# Allegro board BRD-05058-03_A1.brd (continued)
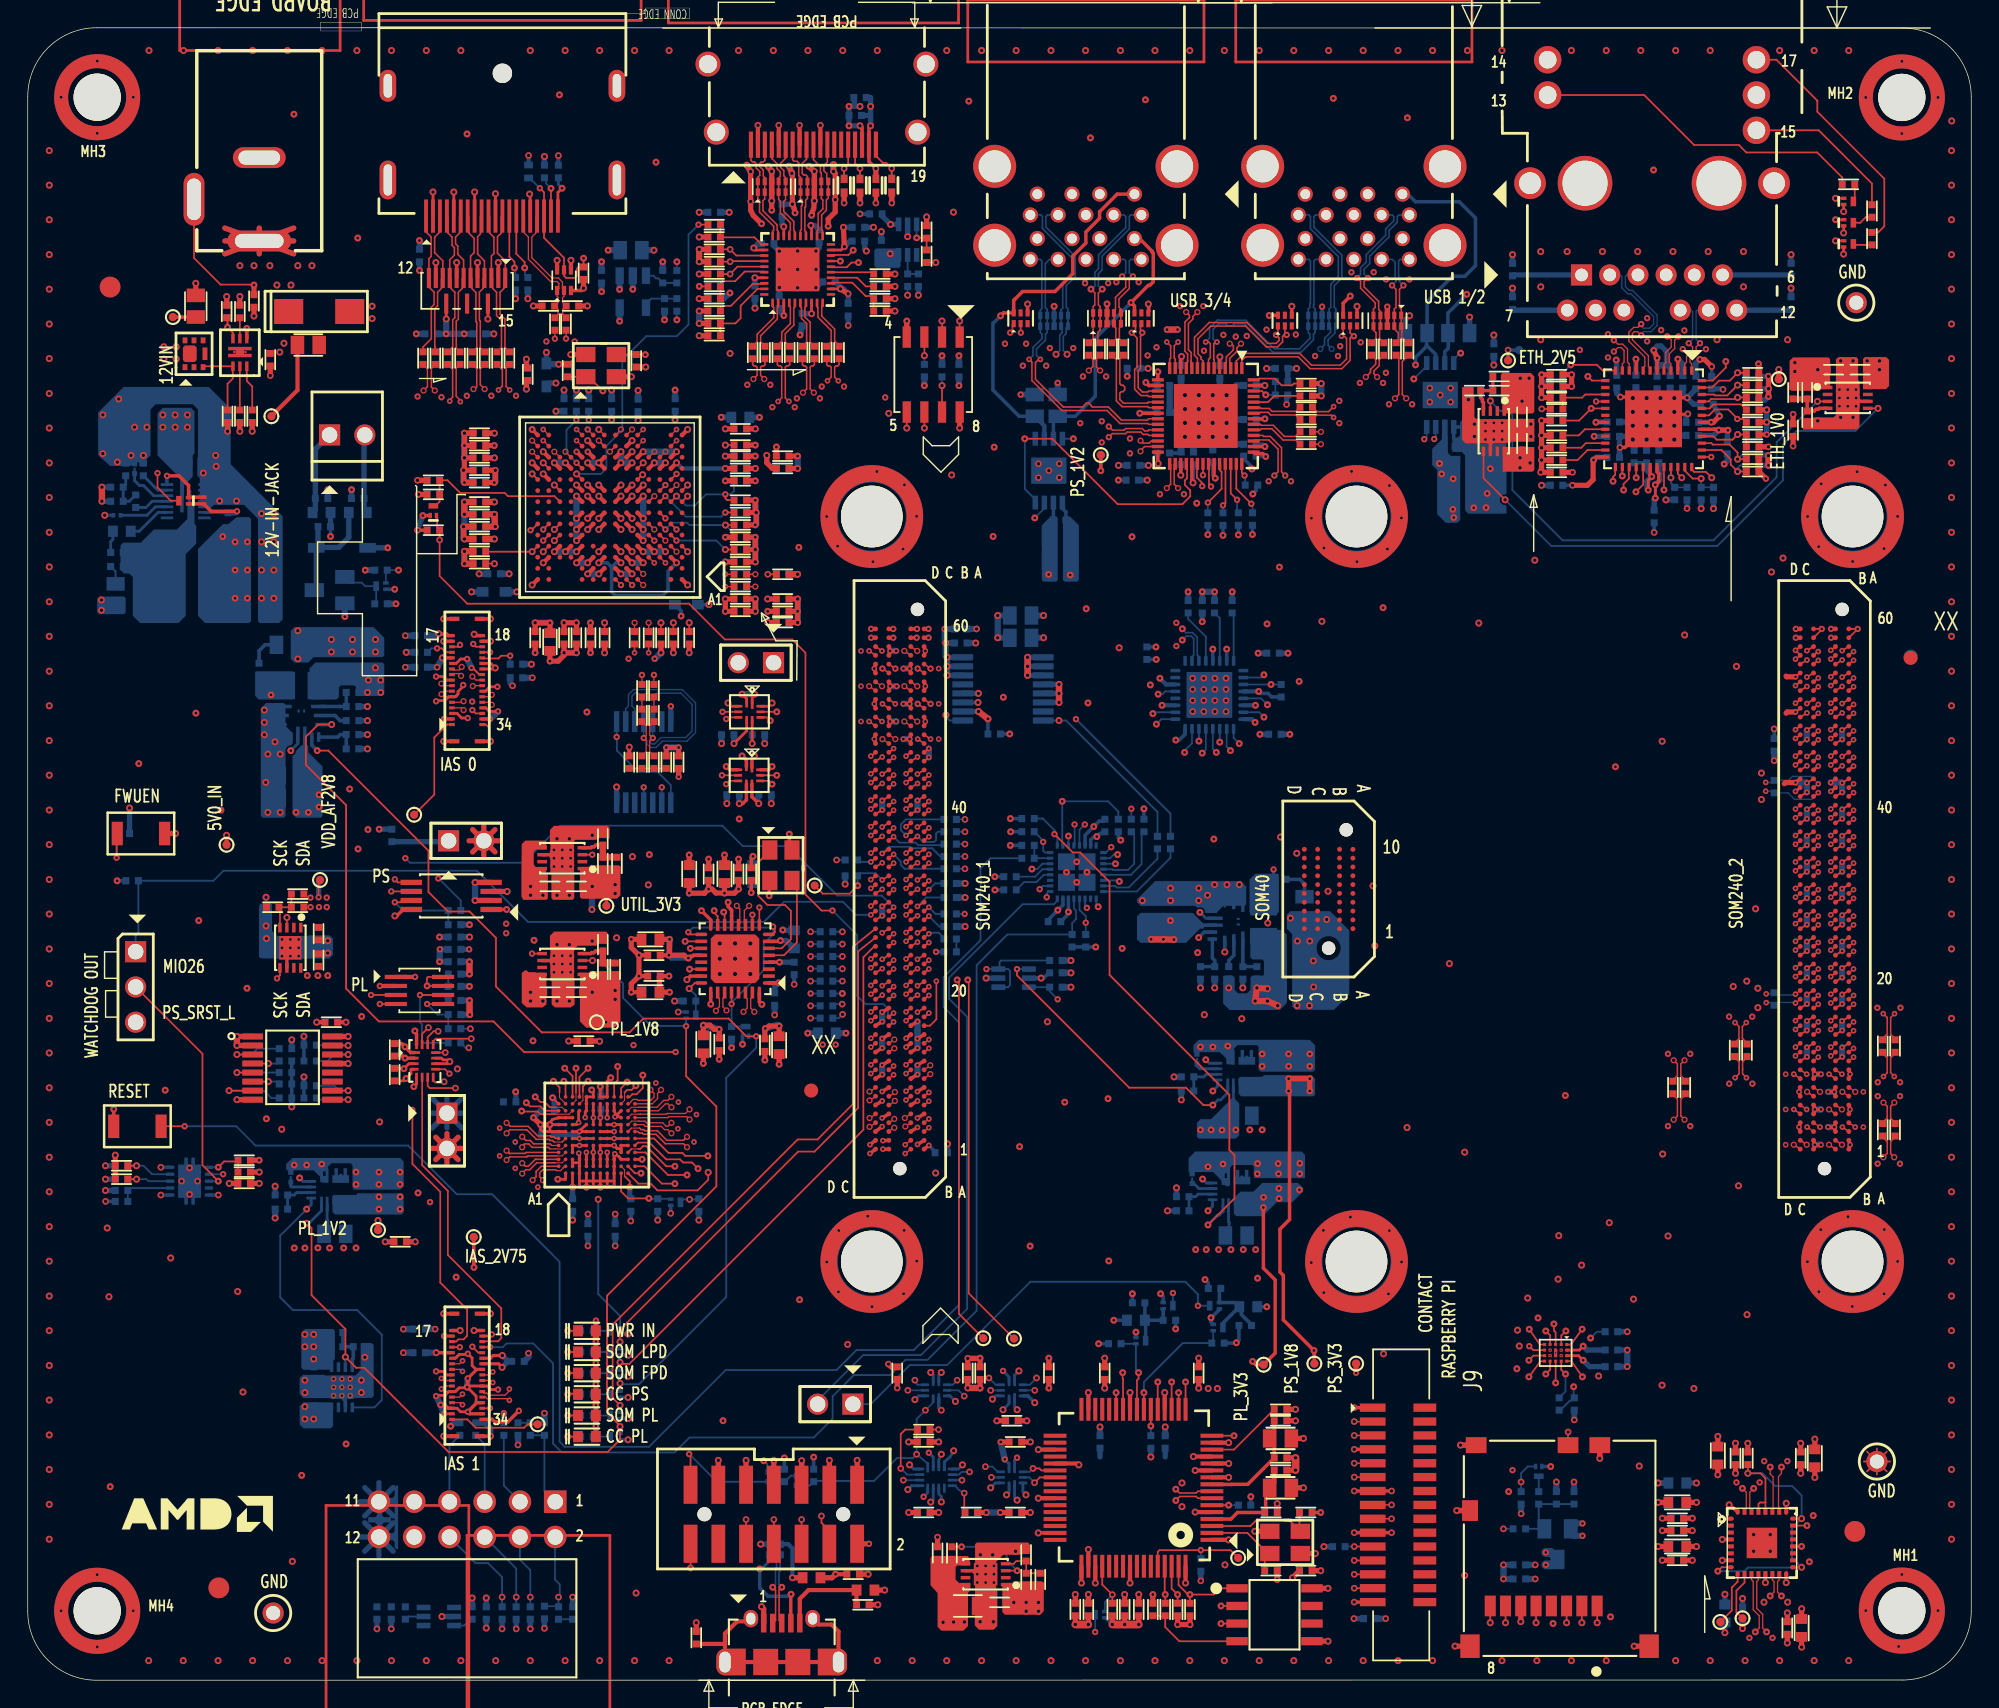
[diagram p0: board, top side]
## Routing (per net, layer and track width the routed paths; a pad name or vN(x,y) marks a point on that pad's centre or on a via; arc(x,y) is an arc through that point) (continued)
USB_D1_P: length 25.2
  TOP w0.114: U43.1 87.46,95.04 87.72,95.3 91.52,95.3 92.37,94.45 94.66,94.45 95.26,95.05 95.26,96.66 95.37,96.77 95.51,96.77 v1(95.53,96.79) 95.49,96.79 95.26,97.02 X6.2
  L05_SIG w0.112: U44.12 95.29,103.82 95.4,103.93 95.4,104.42 95.19,104.64 94.12,104.64 92.93,103.45 92.93,103.44 92.68,103.19 92.68,100.78 93.04,100.42 93.2,100.42 93.41,100.63 93.62,100.63 93.75,100.49 93.75,100.33 93.52,100.1 93.52,99.94 94,99.46 94,99.18 95.15,98.04 95.15,97.01 95.37,96.79 95.53,96.79 v1(95.53,96.79)
USB_D2_N: length 33.6
  TOP w0.114: U43.9 84.26,95.2 84.05,95.41 84.05,96.71 85.11,97.77 87.82,97.77 89.32,96.27 89.93,96.27 90.14,96.48 90.14,96.67 v1(89.92,96.88) 90.06,97.02 X5.1
  L05_SIG w0.112: U44.2 95.77,107.02 95.65,107.13 95.65,107.96 94.77,108.85 92.43,108.85 89.54,105.96 88.18,105.96 86.79,104.57 86.79,101.01 87.42,100.38 88.95,100.38 90.18,99.15 90.18,97.14 v1(89.92,96.88)
USB_D2_P: length 33.6
  TOP w0.114: U43.8 84.66,95.01 84.51,95.15 84.51,95.3 84.3,95.52 84.3,96.6 85.22,97.52 87.72,97.52 89.21,96.02 89.31,96.02 89.31,96.02 90.03,96.02 90.39,96.38 90.39,96.77 90.51,96.88 v1(90.69,96.88) 90.56,97.01 X5.2
  L05_SIG w0.112: v1(90.69,96.88) 90.43,97.14 90.43,99.25 89.05,100.63 87.53,100.63 87.04,101.12 87.04,104.46 88.29,105.71 89.64,105.71 92.53,108.6 93.71,108.6 93.83,108.49 93.83,108.25 93.94,108.14 94.16,108.14 94.27,108.25 94.27,108.49 94.38,108.6 94.66,108.6 95.4,107.86 95.4,107.13 95.29,107.02 U44.3
USB_D3_N: length 19.9
  TOP w0.112: 79.6,96.97 v1(79.53,97.04)
  TOP w0.114: v1(79.53,97.04) 79.69,97.04 79.8,97.16 79.8,97.61 X8.1 ; 79.6,96.97 79.91,96.66 79.91,94.56 79.74,94.4 79.74,92.97 80.19,92.51 80.68,92.51 80.75,92.44 U43.18
  L05_SIG w0.112: U46.11 76.46,103.82 76.35,103.71 76.35,103.34 75.98,102.97 75.95,102.97 75.44,102.46 75.44,100.25 75.55,100.14 75.58,100.14 75.72,100 75.72,99.84 75.58,99.69 75.55,99.69 75.44,99.58 75.44,98.29 76.51,97.22 78.64,97.22 79.45,96.41 79.61,96.41 79.82,96.62 79.82,96.78 79.55,97.04 v1(79.53,97.04)
USB_D3_P: length 19.8
  TOP w0.112: 80.29,96.92 v1(80.29,97.04)
  TOP w0.114: U43.17 80.75,92.84 80.68,92.77 80.3,92.77 79.99,93.07 79.99,94.29 80.16,94.46 80.16,96.77 80.15,96.78 80.29,96.92 ; v1(80.29,97.04) 80.27,97.04 80.16,97.16 80.16,97.63 X8.2
  L05_SIG w0.112: U46.12 75.99,103.82 76.1,103.71 76.1,103.44 75.88,103.23 75.85,103.23 75.18,102.56 75.18,98.19 76.4,96.97 78.53,96.97 79.34,96.15 79.71,96.15 80.11,96.55 80.11,96.86 v1(80.29,97.04)
USB_D4_N: length 33.1
  TOP w0.112: U43.25 80.76,89.64 80.69,89.72 80.35,89.72 80.18,89.88 79.2,89.88 79.09,89.77 78.13,89.77 v1(77.87,89.52)
  TOP w0.114: v1(71.54,97.04) 71.54,97.24 71.52,97.25 X7.2
  L03_SIG w0.112: U46.2 76.46,107.02 76.35,106.91 76.35,106.57 75.31,105.53 75.31,105.12 74.27,104.08 74.27,103.62 73.43,102.78 73.43,101.59 71.28,99.44 71.28,97.3 v1(71.54,97.04)
  L05_SIG w0.112: v1(71.54,97.04) 71.28,96.79 71.28,96.29 71.73,95.85 72.62,95.85 73.36,96.59 77.27,96.59 78.8,95.05 78.8,90.07 78.51,89.77 78.13,89.77 v1(77.87,89.52)
USB_D4_P: length 33.2
  TOP w0.112: U43.24 80.76,90.04 80.69,89.97 80.45,89.97 80.29,90.14 79.1,90.14 78.98,90.02 78.13,90.02 v1(77.87,90.28)
  TOP w0.114: v1(70.78,97.04) 70.9,97.16 70.9,97.2 70.93,97.24 70.93,97.6 X7.1
  L03_SIG w0.112: U46.3 75.99,107.02 76.1,106.91 76.1,106.67 75.06,105.63 75.06,105.22 74.01,104.18 74.01,103.73 73.18,102.89 73.18,101.69 71.03,99.55 71.03,97.3 v1(70.78,97.04)
  L05_SIG w0.112: v1(77.87,90.28) 78.13,90.03 78.4,90.03 78.55,90.17 78.55,90.63 78.44,90.74 78.32,90.74 78.21,90.85 78.21,91.08 78.32,91.19 78.44,91.19 78.55,91.3 78.55,94.94 77.16,96.33 73.46,96.33 72.73,95.6 71.62,95.6 71.03,96.19 71.03,96.79 v1(70.78,97.04)
USB_HUB_CLK_IN: length 80.4
  TOP w0.127: v5(89.18,92.57) 88.9,92.84 U43.54 ; U17.14 50.2,55.25 50.14,55.32 50.14,55.32 v5(50.13,55.32)
  L12_SIG w0.102: v5(89.18,92.57) 88.25,92.57 87.68,93.13 82.96,93.13 81.79,91.96 76.17,91.96 58.97,74.76 43.59,74.76 42.89,74.06 42.89,72.34 45.95,69.28 47.07,69.28 49.13,67.22 49.13,60.64 49.66,60.11 49.66,56.17 50.14,55.69 50.14,55.32 v5(50.13,55.32)
  BOTTOM w0.127: v5(89.18,92.57) 89.86,92.57 R271.1 R270.1
USB_HUB_RESET_B: length 48.3
  TOP w0.127: v1(87.65,86.76) 87.46,86.95 U43.42
  L10_SIG w0.102: v1(78.05,59.99) 85.41,59.99 90.37,64.95 90.37,71.83 89.28,72.92 87.53,72.92 87.52,72.91 83.47,72.91 82.07,74.31 82.07,77.89 84.59,80.41 85.62,80.41 86.69,81.47 86.69,83.25 87.65,84.22 v1(87.65,86.76)
  BOTTOM w0.127: R218.2 87.71,86.7 v1(87.65,86.76) ; U19.1 77.66,59.6 78.05,59.99 v1(78.05,59.99)
USB_HUB_SMCLK: length 92.9
  TOP w0.127: v1(85.01,84.81) 85.01,84.81 86,85.79 86,87.02 85.9,87.12 85.9,87.55 U43.38
  L10_SIG w0.102: v1(85.01,84.81) 85.01,84.8 79.38,79.17 49.39,79.17 49.22,79.34 46.48,79.34 42.26,75.11 41.03,75.11 40.01,74.09 40.01,73.36 32.57,65.91 32.49,65.91 24.82,58.24 24.82,53.5 25.99,52.33 27.29,52.33 30.29,49.32 30.29,46.92 31.67,45.54 v2(31.77,45.54)
  BOTTOM w0.127: R217.2 v1(85.01,84.81) ; R287.2 31.19,45.89 31.54,45.54 v2(31.77,45.54)
USB_HUB_SMDAT: length 90.9
  TOP w0.127: U43.39 86.28,87.57 86.28,84.78 v1(86.1,84.6)
  L10_SIG w0.102: v2(31.89,46.92) 31.02,47.78 31.02,49.66 27.64,53.04 25.92,53.04 25.23,53.72 25.23,57.84 34.44,67.05 35.5,67.05 46.31,77.86 48.33,77.86 48.8,78.33 79.55,78.33 84.94,83.71 85.21,83.71 v1(86.1,84.6)
  BOTTOM w0.127: R286.2 v2(31.89,46.92) ; R216.2 v1(86.1,84.6)
USB_JTAG_DM_N: length 42.4
  TOP w0.114: v5(82.7,12.94) 82.99,13.23 84.17,13.23 84.29,13.11 U24.7 ; J4.2 53.87,4.32 53.87,6.49 v5(53.67,6.69)
  L03_SIG w0.112: v5(53.67,6.69) 53.86,6.5 53.86,5.44 54.12,5.18 55.82,5.18 55.97,5.33 59.31,5.33 60.07,4.57 62.47,4.57 63.81,5.91 70.31,5.91 72.72,8.32 76.86,8.32 81.76,13.22 82.42,13.22 v5(82.7,12.94)
  BOTTOM w0.114: X1.2 53.82,8.86 53.94,8.74 53.94,7.97 53.87,7.89 53.87,6.89 v5(53.67,6.69)
USB_JTAG_DM_P: length 42.4
  TOP w0.114: J4.3 54.13,4.3 54.13,6.5 v5(54.32,6.69) ; v5(82.7,13.75) 82.97,13.48 84.17,13.48 84.29,13.61 U24.8
  L03_SIG w0.112: v5(82.7,13.75) 82.42,13.48 81.66,13.48 76.76,8.57 72.61,8.57 70.2,6.16 64.99,6.16 64.88,6.27 64.88,6.39 64.77,6.5 64.55,6.5 64.44,6.39 64.44,6.27 64.32,6.16 63.7,6.16 62.36,4.82 60.17,4.82 59.41,5.58 55.87,5.58 55.72,5.43 54.23,5.43 54.12,5.54 54.12,6.5 v5(54.32,6.69)
  BOTTOM w0.114: X1.1 54.32,8.88 54.19,8.75 54.19,7.86 54.12,7.79 54.12,6.89 v5(54.32,6.69)
USB_JTAG_FLTR: length 2
  TOP w0.305: C87.1 v5(58.19,7.63)
  TOP w0.381: v5(58.19,7.63) 57.94,7.38 L4.1
  vias: v6(65.94,4.17) v6(66.7,4.19) v6(67.47,4.2)
USB_JTAG_VBUS: length 5.6
  TOP w0.381: L4.2 v6(55.08,7.38) ; C88.1 v6(61.23,5.43) ; v6(52.86,5.3) 53.02,5.14 J4.1
  BOTTOM w0.305: X1.6 54.78,9.8 55.08,9.49 v6(55.08,7.38)
USB_JTAG_VCORE: length 7.9
  TOP w0.305: v6(75.72,15.51) 75.62,15.61 U24.37 ; U24.49 v6(75.9,7) ; U24.12 v6(86.51,15.61) ; U24.64 v6(83.4,7)
  TOP w0.381: C95.1 v6(75.46,6.18) ; C97.1 v6(80.03,6.18)
  BOTTOM w0.381: C98.1 77.24,16.08 ; C96.1 81.94,16.08
USB_JTAG_VPHY: length 7.3
  TOP w0.254: L2.2 89.18,13.57 89.18,12.15 C82.1 87.15,12.08 86.67,11.61 U24.4
  TOP w0.305: C83.1 89.79,14.19 L2.2
USB_JTAG_VPLL: length 8.2
  TOP w0.254: U24.9 85.31,14.1 86.72,14.1 86.73,14.11 87.89,14.11 C84.1 89.79,17.08 L3.2 89.79,17.74 C85.1
USB_PHY_MODE1: length 4.8
  BOTTOM w0.127: R288.2 79.5,61.1 79.7,60.9 79.7,58.8 79.26,58.35 78.17,58.35 78.13,58.4 U19.4
USB_PHY_REFCLK: length 65.4
  TOP w0.127: v5(47.67,51.21) U17.22
  L03_SIG w0.102: v5(47.67,51.21) 48.48,51.21 48.77,50.92 48.77,48.11 49.43,47.45 52.5,47.45 53.72,48.66 55.34,48.66 55.7,49.02 56.66,49.02 57.5,49.86 57.5,55.51 57.62,55.63 57.62,59.33 59.59,61.3 59.59,65.11 60.56,66.09 65.25,66.09 65.41,66.25 65.59,66.25 69.24,69.9 74.85,69.9 77.76,72.81 88.64,72.81 v5(89.05,72.4)
  BOTTOM w0.127: U37.26 88.85,72.21 v5(89.05,72.4)
USB_PHY_RESET_B: length 26.5
  L10_SIG w0.102: v1(75.41,61.62) 76.11,62.32 86.28,62.32 89.96,66.01 89.96,71.3 v5(89.56,71.71)
  BOTTOM w0.127: v1(75.41,61.62) 75.41,61.62 75.41,60.16 U19.28 ; R210.2 v5(89.56,71.71) U37.27
USB_PRT_CTL1: length 28.1
  TOP w0.127: U43.36 85.09,87.56 85.09,86.11 v1(85.24,85.96)
  L05_SIG w0.102: v1(85.24,85.96) 85.74,85.96 87.44,87.67 99.6,87.67 v1(101.32,89.38)
  L12_SIG w0.102: v1(101.32,89.38) 103.27,91.34 103.27,95.52 v5(103.22,95.57)
  BOTTOM w0.127: v1(101.32,89.38) 101.43,89.49 U45.3 ; U45.8 102.73,95.13 103.17,95.57 v5(103.22,95.57)
USB_PRT_CTL2: length 25
  TOP w0.127: v1(84.66,86.78) U43.35
  L05_SIG w0.102: v1(100.6,89.37) 87.25,89.37 v1(84.66,86.78)
  L12_SIG w0.102: v5(99.85,93.71) 100.23,93.33 100.23,89.75 v1(100.6,89.37)
  BOTTOM w0.127: U45.4 100.78,89.54 v1(100.6,89.37) ; v5(99.85,93.71) 100.78,94.64 U45.5
USB_PRT_CTL3: length 21.8
  TOP w0.127: U43.34 84.22,87.55 84.22,86.6 84.61,86.21 v1(84.61,85.99)
  L05_SIG w0.102: v1(84.61,85.99) 84.29,85.68 83.95,85.68 83.8,85.83 82.1,85.83 81.01,86.92 78.17,86.92 75.69,89.4 v5(75.32,89.4) 74.95,89.03 74.95,86.11 v5(72.54,83.7)
  BOTTOM w0.127: U47.3 73.23,84.39 v5(72.54,83.7) ; U47.8 v5(75.32,89.4)
USB_PRT_CTL4: length 22.4
  TOP w0.127: U43.32 83.51,87.54 83.51,86.56 83.36,86.41 83.36,86.08 83.74,85.7 83.74,85.25 83.18,84.7 78.51,84.7 73.8,89.4 v5(71.82,89.4)
  BOTTOM w0.127: U47.5 v5(71.82,89.4) 71.83,89.39 71.83,85.78 72.58,85.03 U47.4
USB_PWRD_VCCIO: length 35
  TOP w0.305: U24.50 v6(76.4,9.41) ; U24.31 v6(76.4,20.71) ; U24.20 v6(81.9,20.71) ; U24.42 v6(72.8,13.11) ; U24.56 v6(79.4,7)
  TOP w0.381: C99.1 v6(76.4,6.18) ; C101.1 v6(71.97,18.68) ; R74.1 v5(81.05,6.17) ; U26.8 v6(93.67,6.62) ; R76.1 v6(82.83,4.01) v6(83.72,4.01) R77.1 ; L3.1 v6(91.9,17.41) ; v2(62,22.76) 62.2,22.56 C90.1 ; C93.1 v5(73.56,21.04) ; R75.1 v6(91.33,19.51) ; C102.1 v6(77.58,21.03) ; C94.1 v6(93.14,7.89) ; C105.1 v6(84.35,21.03) ; C100.1 v6(79.02,6.18) ; C80.1 v6(65.62,17.16) ; L2.1 v6(91.9,13.86) ; C325.1 v6(72.22,12.08)
  BOTTOM w0.203: v6(65.81,22.17) 65.63,21.98 U25.7 ; v6(66.7,16.52) 66.43,16.07 66.03,15.73 66.03,15.18 U22.4 ; U22.3 65.63,15.87 v6(65.81,16.27) ; v6(71.4,22.27) 71.09,21.97 U64.7 ; v6(66.83,20.08) 66.43,20.48 U25.10 ; U65.10 71.69,13.57 v6(71.91,13.35) ; U65.7 71.09,15.85 v1(71.26,16.02)
  BOTTOM w0.254: R293.1 87.04,24.28 v5(87.07,24.3) 87.25,24.49 R294.1 ; v6(72.54,19.99) 72.05,20.48 U64.10 ; D3.1 v5(89.25,26.89) ; D4.1 v5(78.23,25.92) ; R296.1 v5(79.57,27.84) ; R234.1 v5(54.51,16.01) ; R295.1 v5(77.14,24.23) ; R233.1 v5(56.61,16.06)
  BOTTOM w0.381: R268.1 v2(84.5,7.16) ; R235.1 v6(80.9,16.08)
  vias: v6(71.03,5.6) v6(71.92,5.6) v6(71.92,4.97) v6(72.81,5.6) v6(72.81,4.97) v6(85.04,21.01) v6(85.7,21.01)
USB_RBIAS: length 3.6
  TOP w0.127: R221.1 91.21,93.38 91.08,93.25 90.33,93.25 89.84,93.73 88.7,93.73 88.6,93.64 U43.56
USB_SSRX1_N: length 18.6
  TOP w0.114: v3(84.85,96.37) 85.07,96.37 85.19,96.25 85.19,95.24 85.06,95.12 U43.7
  BOTTOM w0.114: v3(84.85,96.37) 85.13,96.65 85.13,97.38 85.69,97.94 85.79,97.94 85.79,97.94 87.75,97.94 89.81,95.88 91.61,95.88 92.36,96.63 92.36,96.93 92.24,97.06 U66.10 U66.1 92.24,98.74 92.36,98.87 92.36,99.13 92.4,99.17 92.4,102.21 92.29,102.32 U44.14
USB_SSRX1_P: length 18.6
  TOP w0.114: v3(85.67,96.37) 85.55,96.37 85.44,96.25 85.44,95.12 85.46,95.09 U43.6
  BOTTOM w0.114: v3(85.67,96.37) 85.61,96.37 85.39,96.59 85.39,97.28 85.79,97.68 86.3,97.68 86.45,97.53 86.76,97.53 86.91,97.68 87.64,97.68 89.7,95.63 91.72,95.63 92.62,96.53 92.62,96.93 92.74,97.06 U66.9 U66.2 92.74,98.74 92.62,98.87 92.62,99.03 92.65,99.06 92.65,102.21 92.77,102.32 U44.15
USB_SSRX2_N: length 28
  TOP w0.114: v3(82.05,96.37) 82.33,96.09 82.33,95.22 82.26,95.15 U43.14
  L12_SIG w0.112: v8(93.11,95.87) 93.39,96.15 93.39,96.35 93.28,96.46 92.21,96.46 90.86,95.11 87.71,95.11 87.12,94.53 82.95,94.53 82.33,95.15 82.33,96.09 v3(82.05,96.37)
  BOTTOM w0.114: v8(93.11,95.87) 93.42,96.17 93.42,96.63 93.85,97.06 93.85,97.4 U66.7 U66.4 93.74,98.74 93.86,98.87 93.86,100.53 94.41,101.08 94.41,102.52 92.4,104.53 92.4,105.41 92.29,105.52 U44.5
USB_SSRX2_P: length 28
  TOP w0.114: v3(82.87,96.37) 82.59,96.09 82.59,95.22 82.66,95.15 U43.13
  L12_SIG w0.112: v8(93.93,95.87) 93.65,96.15 93.65,96.46 93.39,96.72 92.11,96.72 90.75,95.37 87.6,95.37 87.02,94.78 83.06,94.78 82.59,95.25 82.59,96.09 v3(82.87,96.37)
  BOTTOM w0.114: U44.6 92.77,105.52 92.65,105.41 92.65,105.02 92.65,105.02 92.65,104.64 94.66,102.63 94.66,100.97 94.12,100.43 94.12,98.87 94.24,98.74 U66.5 U66.6 94.16,97.43 94.16,97.01 93.67,96.53 93.67,96.14 93.76,96.05 93.76,96.03 v8(93.93,95.87)
USB_SSRX3_N: length 20.4
  TOP w0.114: v3(72.13,95.12) 72.34,94.91 72.34,93.59 74.49,91.44 77.75,91.44 78.68,90.5 80.7,90.5 80.75,90.44 U43.23
  BOTTOM w0.114: U46.14 72.93,102.32 73.05,102.21 73.05,98.77 72.94,98.66 U69.1 U69.10 72.94,97.06 73.06,96.93 73.06,96.62 72.41,95.97 72.41,95.4 v3(72.13,95.12)
USB_SSRX3_P: length 20.4
  TOP w0.114: U43.22 80.75,90.84 80.66,90.75 78.79,90.75 77.85,91.69 76.69,91.69 76.58,91.8 76.58,91.83 76.44,91.97 76.26,91.97 76.12,91.83 76.12,91.8 76,91.69 74.6,91.69 72.59,93.7 72.59,94.88 72.83,95.12 v3(72.95,95.12)
  BOTTOM w0.114: v3(72.95,95.12) 72.67,95.4 72.67,95.87 73.31,96.51 73.31,96.93 73.44,97.06 U69.9 U69.2 73.44,98.71 73.3,98.85 73.3,102.02 73.6,102.32 U46.15
USB_SSRX4_N: length 32
  TOP w0.114: v4(82.87,85.85) 82.59,86.13 82.59,87.52 U43.30
  L03_SIG w0.112: v6(74.07,95.49) 74.34,95.22 74.34,94.27 74.62,93.99 74.62,88.38 78.25,84.75 82.27,84.75 82.59,85.07 82.59,85.57 v4(82.87,85.85)
  BOTTOM w0.114: U46.5 72.98,105.52 73.1,105.41 73.1,104.54 75.21,102.43 75.21,101.18 74.56,100.53 74.56,98.81 74.44,98.69 U69.4 U69.7 74.52,97.44 74.52,97.05 74.34,96.88 74.34,95.76 v6(74.07,95.49)
USB_SSRX4_P: length 32
  TOP w0.114: v4(82.05,85.85) 82.33,86.13 82.33,87.52 U43.29
  L03_SIG w0.112: v4(82.05,85.85) 82.33,85.57 82.33,85.17 82.16,85 80.58,85 80.47,85.11 80.47,85.42 80.36,85.54 80.13,85.54 80.02,85.42 80.02,85.11 79.91,85 78.36,85 74.88,88.48 74.88,94.1 74.6,94.38 74.6,95.22 v6(74.87,95.49)
  BOTTOM w0.114: U46.6 73.47,105.52 73.35,105.4 73.35,104.64 75.46,102.53 75.46,101.08 74.81,100.43 74.81,98.87 74.94,98.74 U69.5 U69.6 74.8,97.38 74.8,96.98 74.6,96.77 74.6,95.76 v6(74.87,95.49)
USB_SSTX1_C_N: length 7.3
  TOP w0.112: C280.1 98.73,96.47 98.73,97.02 98.44,97.31 U67.9 ; v1(98.28,100.45) 98.57,100.16 98.57,98.87 98.44,98.74 U67.2
  TOP w0.114: U67.9 U67.2
  BOTTOM w0.114: v1(98.28,100.45) 98.57,100.73 98.57,100.89 98.5,100.95 98.5,102.11 98.29,102.32 U44.17
USB_SSTX1_C_P: length 7.3
  TOP w0.112: U67.10 99.01,97.45 99.01,97.12 98.98,97.09 98.98,96.68 99.01,96.64 99.01,96.63 99.33,96.32 C282.1 ; U67.1 98.94,98.74 98.82,98.87 98.82,100.16 v1(99.1,100.45)
  TOP w0.114: U67.10 U67.1
  BOTTOM w0.114: U44.18 98.87,102.32 98.75,102.21 98.75,101.05 98.82,100.99 98.82,100.73 v1(99.1,100.45)
USB_SSTX1_N: length 20.5
  TOP w0.114: U43.4 86.26,94.88 86.34,94.96 86.34,95.29 86.85,95.8 86.85,96.09 86.69,96.25 v4(86.59,96.25) ; C280.2 98.76,95.23 98.76,92.59 v4(98.49,92.31)
  L03_SIG w0.112: v4(98.49,92.31) 98.77,92.59 98.77,92.75 98.65,92.86 98.1,92.86 97.86,92.62 95.63,92.62 94.42,93.83 92.32,93.83 92.19,93.71 90.08,93.71 90.01,93.78 88.17,93.78 86.87,95.08 86.87,96.05 86.67,96.25 v4(86.59,96.25)
USB_SSTX1_P: length 20.5
  TOP w0.114: U43.3 86.59,94.56 86.59,95.19 87.1,95.7 87.1,95.95 v4(87.4,96.25) ; v4(99.3,92.31) 99.02,92.59 99.02,94.96 99.46,95.41 C282.2
  L03_SIG w0.112: v4(87.4,96.25) 87.12,95.97 87.12,95.19 88.28,94.03 90.12,94.03 90.19,93.96 92.09,93.96 92.21,94.09 94.52,94.09 95.73,92.88 97.76,92.88 98,93.11 98.76,93.11 99.02,92.85 99.02,92.59 v4(99.3,92.31)
USB_SSTX2_C_N: length 11.9
  TOP w0.112: U67.5 96.94,98.74 97.07,98.87 97.07,99.19 96.01,100.24 96.01,100.73 v1(95.76,100.98) ; C279.2 97.13,96.63 97.13,97.04 96.94,97.23 U67.6
  TOP w0.114: U67.5 U67.6
  BOTTOM w0.114: U44.8 98.29,105.52 98.4,105.41 98.4,105.1 97.82,104.51 97.82,104.06 96.42,102.66 96.42,102.12 96.01,101.72 96.01,101.23 v1(95.76,100.98)
USB_SSTX2_C_P: length 11.9
  TOP w0.112: U67.4 97.44,98.58 97.32,98.71 97.32,99.29 96.26,100.34 96.26,100.72 96.38,100.83 96.43,100.83 96.47,100.87 96.47,100.9 v1(96.54,100.98) ; C281.2 97.38,96.62 97.38,97.46 U67.7
  TOP w0.114: U67.4 U67.7
  BOTTOM w0.114: v1(96.54,100.98) 96.26,101.26 96.26,101.61 96.67,102.02 96.67,102.55 98.07,103.95 98.07,104.41 98.65,104.99 98.65,105.41 98.77,105.52 U44.9
USB_SSTX2_N: length 23.6
  TOP w0.114: C279.1 97.1,95.13 97.1,94.78 96.72,94.4 96.72,94.18 v4(96.39,93.85) ; U43.11 83.46,94.85 83.55,94.94 83.55,95 83.55,95 83.55,95.51 83.36,95.7 83.36,97.8 83.68,98.13 83.68,98.29 v4(83.45,98.53)
  L03_SIG w0.112: v4(96.39,93.85) 96.67,94.13 96.67,94.42 96.44,94.65 93.9,94.65 93.42,95.14 93.42,96.03 91.77,97.68 90.93,97.68 89.89,98.72 87.23,98.72 86.14,97.63 84.07,97.63 83.72,97.97 83.72,98.25 v4(83.45,98.53)
USB_SSTX2_P: length 23.6
  TOP w0.114: C281.1 97.36,95.09 97.36,94.67 96.98,94.29 96.98,94.07 v4(97.2,93.85) ; v4(84.26,98.53) 83.93,98.2 83.93,98.02 83.61,97.7 83.61,95.81 83.8,95.61 83.8,95 83.81,95 83.81,94.55 U43.10
  L03_SIG w0.112: v4(84.26,98.53) 83.98,98.25 83.98,98.08 84.17,97.88 86.03,97.88 87.12,98.97 89.99,98.97 91.03,97.93 91.88,97.93 93.67,96.14 93.67,95.24 94.01,94.91 96.54,94.91 96.92,94.53 96.92,94.13 v4(97.2,93.85)
USB_SSTX3_C_N: length 7.5
  TOP w0.112: v1(78.83,101.09) 79.1,100.83 79.1,100.32 78.36,99.58 78.36,98.74 78.25,98.63 U68.7 U68.4 78.25,97.51 78.38,97.37 78.38,96.59 C302.1
  BOTTOM w0.114: v1(78.83,101.09) 79.1,101.35 79.1,102.21 78.99,102.32 U46.17
USB_SSTX3_C_P: length 7.6
  TOP w0.112: C306.1 78.63,96.61 78.63,97.37 78.75,97.48 U68.5 U68.6 78.75,98.73 78.61,98.87 78.61,99.48 79.35,100.22 79.35,100.83 v1(79.61,101.09)
  BOTTOM w0.114: U46.18 79.46,102.32 79.35,102.21 79.35,101.35 v1(79.61,101.09)
USB_SSTX3_N: length 6.6
  TOP w0.114: C302.2 78.42,95.11 78.42,92.13 78.83,91.72 80.68,91.72 80.76,91.64 U43.20
USB_SSTX3_P: length 6.6
  TOP w0.114: C306.2 78.67,95.16 78.67,93.37 78.79,93.25 78.9,93.25 79.02,93.14 79.02,92.91 78.9,92.8 78.79,92.8 78.67,92.68 78.67,92.23 78.93,91.97 80.66,91.97 80.74,92.04 U43.19
USB_SSTX4_C_N: length 11.4
  TOP w0.112: C301.2 76.75,96.63 U68.1 U68.10 76.75,98.92 76.87,99.04 76.87,99.9 v5(76.59,100.18)
  BOTTOM w0.114: v5(76.59,100.18) 76.64,100.18 76.87,100.41 76.87,101.4 77.14,101.66 77.14,102.65 79.1,104.62 79.1,105.41 78.98,105.52 U46.8
USB_SSTX4_C_P: length 11.4
  TOP w0.112: C305.2 77.09,96.48 77.09,97.07 77.25,97.23 U68.2 U68.9 77.25,98.92 77.12,99.04 77.12,99.9 v5(77.4,100.18)
  BOTTOM w0.114: v5(77.4,100.18) 77.37,100.18 77.12,100.42 77.12,101.29 77.39,101.55 77.39,102.55 79.35,104.51 79.35,105.41 79.46,105.52 U46.9
USB_SSTX4_N: length 12.7
  TOP w0.112: v4(80.16,88.5) 80.16,88.55 80.45,88.84 80.9,88.84 U43.27
  TOP w0.114: C301.1 76.74,95.12 76.74,94.61 v4(76.44,94.32)
  L03_SIG w0.112: v4(80.16,88.5) 79.91,88.76 79.04,88.76 78.59,88.3 76.93,88.3 76.45,88.78 76.45,91.15 76.72,91.42 76.72,94.04 v4(76.44,94.32)
USB_SSTX4_P: length 12.7
  TOP w0.112: U43.26 80.95,89.24 80.8,89.09 80.33,89.09 v4(80.16,89.26)
  TOP w0.114: C305.1 76.99,95.16 76.99,94.57 v4(77.25,94.32)
  L03_SIG w0.112: v4(77.25,94.32) 76.97,94.04 76.97,91.31 76.71,91.05 76.71,90.52 76.82,90.41 76.98,90.41 77.09,90.29 77.09,90.07 76.98,89.96 76.82,89.96 76.71,89.85 76.71,88.89 77.04,88.56 78.48,88.56 78.94,89.01 79.91,89.01 v4(80.16,89.26)
USB_VBUS1: length 27.8
  TOP w0.254: v5(95.27,99.68) 94.76,99.16 X6.6
  L12_SIG w0.254: 100.25,101.42 98.76,101.42 98.54,101.65 98.54,103.25 99.03,103.74 U44.10 99.85,103.82 100.19,103.49 100.19,102.88 100.25,102.81 100.25,101.42
  L12_SIG w0.381: v5(95.27,99.68) 103.51,99.68 ; 103.51,99.68 103.64,99.8 v5(103.66,99.8) ; 103.51,99.68 103.53,99.68 v5(103.66,99.8) ; v5(103.66,99.8) 103.66,100.22 103.25,100.62 100.94,100.62 100.25,101.31 100.25,101.42
  BOTTOM w0.254: v5(103.66,99.8) 102.3,98.45 C274.1 102.33,96.67 102.33,95.92 102.08,95.67 U45.7
USB_VBUS2: length 35.4
  TOP w0.254: v5(89.43,98.28) 89.45,98.3 X5.6
  L10_SIG w0.254: v5(99.97,94.72) 92.18,94.72 91.67,95.24 89.53,95.24 88.72,96.05 88.72,97.57 v5(89.43,98.28)
  BOTTOM w0.254: U44.1 99.41,107.02 99.97,106.47 103.12,106.47 104.29,105.3 104.29,101.87 103.53,101.11 102.64,101.11 100.8,99.27 C272.1 100.76,96.14 ; 100.76,96.14 101.43,95.47 U45.6 ; 100.76,96.14 100.76,96.05 99.97,95.26 v5(99.97,94.72)
USB_VBUS3: length 19.8
  TOP w0.254: X8.6 79.72,98.96 v5(79.48,99.21) 80.71,100.45 80.82,100.45 81.08,100.7 81.08,102.78 80.99,102.86 80.99,102.91 80.08,103.82 U46.10
  BOTTOM w0.254: U47.7 73.88,90.71 C294.1 75.46,91.02 76.89,92.46 76.89,96.63 v5(79.48,99.21)
USB_VBUS4: length 26.6
  TOP w0.254: U46.1 78.48,107.02 77.21,105.75 77.21,105.28 76.22,104.29 76.22,103.5 75.28,102.56 75.28,101.29 74,100.01 71.66,100.01 71.02,99.37 X7.6 70.28,98.46 v5(70.08,98.26)
  BOTTOM w0.254: v5(70.08,98.26) 69.53,97.71 69.53,92.92 71.42,91.02 C293.1
  BOTTOM w0.305: C293.1 73.23,90.33 U47.6
UTIL_3V3: length 31.7
  TOP w0.254: TP7.1 41.68,56.4 41.93,56.66 v6(42.31,56.66) ; C72.1 v5(52.12,56.71) ; U40.4 v6(122.07,10.14) ; U40.1 v6(122.07,11.64) ; U17.7 54.16,53.21 v5(54.22,53.26) ; U40.7 v6(122.07,8.64) ; U17.4 v5(54.15,51.71)
  TOP w0.305: v5(54.1,50.22) 54.08,50.21 U17.1
  TOP w0.381: C199.1 v6(120.21,9.63) ; v1(40.93,19.78) DS4.2 ; v1(40.93,25.9) DS1.2 ; C197.1 v6(120.21,12.81) ; v1(40.93,24.37) DS6.2 ; DS5.2 v1(40.93,18.28) ; C200.1 v6(119.91,10.77) ; C202.1 v6(119.91,11.66) ; v1(40.93,21.3) DS3.2 ; v1(40.93,22.82) DS2.2 ; C198.1 v6(119.91,8.64)
  TOP w0.457: DS1.2 v1(40.93,24.37) ; DS3.2 v1(40.93,19.78) ; DS6.2 v1(40.93,22.82) ; DS2.2 v1(40.93,21.3) ; v6(68.49,69.76) v5(69.17,69.23) ; DS4.2 v1(40.93,18.28)
  BOTTOM w0.254: v6(68.49,69.76) 69.02,69.23 v5(69.17,69.23) 69.17,69.22 C49.1 ; v5(52.12,56.71) 52.12,57.28 C67.1
  BOTTOM w0.381: C68.1 53.81,49.93 54.08,50.21 ; C201.1 v6(120.21,14.2) ; U14.10 v6(68.49,69.76) ; C71.1 54.66,53.26 v5(54.22,53.26) ; C65.1 v5(54.15,51.71)
  BOTTOM w0.432: 54.08,50.21 v5(54.1,50.22) ; R237.1 47.22,48.92 46.61,48.92 v6(46.59,48.91) ; v5(56.19,46.6) C66.1 ; R232.1 v5(50.7,45.55)
  BOTTOM w0.457: R260.1 v5(26.52,77.52) ; v6(40.66,57.16) v6(40.64,55.5) ; v6(42.31,57.29) v6(42.31,56.66)
  vias: v6(40.66,58.43) v6(42.42,53.47) v6(43.56,59.31) v6(44.7,57.28)
WATCHDOG_CRST: length 3.9
  TOP w0.127: C52.1 v6(7.84,37.05)
  BOTTOM w0.127: U13.4 8.95,36.44 8.34,37.05 v6(7.84,37.05) C52.1
WATCHDOG_CWD: length 3.9
  BOTTOM w0.127: U13.2 7.34,35.44 7.2,35.31 R48.2 C51.1
WATCHDOG_SET0: length 3.7
  TOP w0.127: R51.1 v6(7.84,36.08)
  BOTTOM w0.127: R51.1 v6(7.84,36.08) 8.55,36.08 8.69,35.94 U13.3
WATCHDOG_SET1: length 3.2
  TOP w0.127: v5(13.73,36.94) 14.14,37.36 15.06,37.36 15.14,37.44 ; R46.2 15.14,37.44 ; 15.14,37.44 R50.1
  BOTTOM w0.127: U13.6 v5(13.73,36.94)
WATCHDOG_WDO_B: length 17.1
  TOP w0.127: v5(13.73,35.94) 13.41,36.25 13.41,36.26 12.58,37.09 12.58,45.11 J1.2
  BOTTOM w0.127: v5(13.73,35.94) U13.8
N911043: length 3.5
  TOP w0.127: R102.2 123.8,91.49 123.42,91.88 121.44,91.88 121.15,91.59 U36.44
N911641: length 3.2
  TOP w0.127: U36.20 112.18,90.09 111.73,89.64 R113.2
N911645: length 3.2
  TOP w0.127: U36.22 112.24,89.09 111.91,88.76 R114.2
N911649: length 3.4
  TOP w0.127: R115.2 111.64,87.87 112.36,88.59 U36.23
N911753: length 4.8
  TOP w0.127: U36.12 113.45,94.31 113.04,94.72 v5(111.15,94.72)
  BOTTOM w0.127: v5(111.15,94.72) 110.58,94.16 R126.1
N931047: length 4.4
  TOP w0.127: U18.3 v6(15.07,45.06)
  BOTTOM w0.127: v6(15.07,45.06) 16.11,45.06 16.53,45.48 R61.2
N931373: length 5.4
  TOP w0.127: U16.8 28.84,50.65 28.75,50.55 28.75,50 v5(28.77,50) 29.91,50 U16.7
  BOTTOM w0.127: R54.2 C73.1 30.25,50 v5(28.77,50)
N994749: length 3.9
  BOTTOM w0.381: J10.12 126.97,98.66 C168.1
N994757: length 5
  BOTTOM w0.381: J10.6 126.95,101.2 C169.1
N994769: length 5
  BOTTOM w0.381: J10.1 107.03,101.2 C170.1
N994773: length 4
  BOTTOM w0.381: C171.1 107.02,98.66 J10.7
N998662: length 1.3
  TOP w0.127: Q2.3 131.61,106.59 R112.1
N998666: length 1.4
  TOP w0.127: R124.1 131.58,103.36 Q3.3
N998670: length 1.5
  TOP w0.127: R127.1 132.4,105.36 132,104.96 Q4.3
N1061928: length 5.4
  TOP w0.127: R66.1 63.21,18.05 62.89,17.73 v2(62.89,15.25)
  BOTTOM w0.127: v2(62.89,15.25) 63.34,14.81 U22.15
N1062590: length 7.3
  TOP w0.254: v5(54.99,6.19) 54.97,6.17 J4.4
  BOTTOM w0.203: v5(52.73,8.02) 52.86,8.02 53.32,8.48 X1.3
  BOTTOM w0.254: v5(52.73,8.02) 52.73,6.65 53.33,6.05 54.85,6.05 v5(54.99,6.19)
N1063132: length 19.1
  TOP w0.305: 50.23,2.59 50.23,3.36 51.1,4.24 51.89,4.24 J4.10 ; 50.23,2.59 50.21,2.61 R73.1 ; 50.23,2.59 J4.9 J4.8 J4.7 J4.6 58.41,3.51 57.91,4.01 56.97,4.01 J4.11
N1063364: length 7.2
  TOP w0.305: J4.5 55.62,5.86 56.24,6.49 L5.2 C88.2
N1063872: length 5.7
  TOP w0.127: R75.2 86.89,16.61 U24.14
N1063914: length 7.3
  TOP w0.127: R74.2 R78.1 81.94,3.82 82.95,2.81 U26.4
N1063918: length 7.5
  TOP w0.127: U26.2 v5(85.96,5.35) ; U24.62 82.4,6.6 v5(82.83,6.17) R76.2
  L03_SIG w0.102: v5(82.83,6.17) 83.65,5.35 v5(85.96,5.35)
N1063922: length 6.7
  TOP w0.127: v5(83.72,6.17) 83.72,6.17 83.58,6.17 82.9,6.85 U24.63 ; v5(83.72,6.17) R77.2 ; v5(83.72,6.17) 85.43,6.17 85.88,6.62 U26.1
N1064088: length 8.7
  TOP w0.127: U26.3 v5(85.96,4.08) ; R78.2 v5(81.94,6.17) 81.9,6.21 U24.61
  L03_SIG w0.102: v5(81.94,6.17) 83.4,4.71 84.55,4.71 85.18,4.08 v5(85.96,4.08)
